# KiCad board AppleII.kicad_pcb (continued)
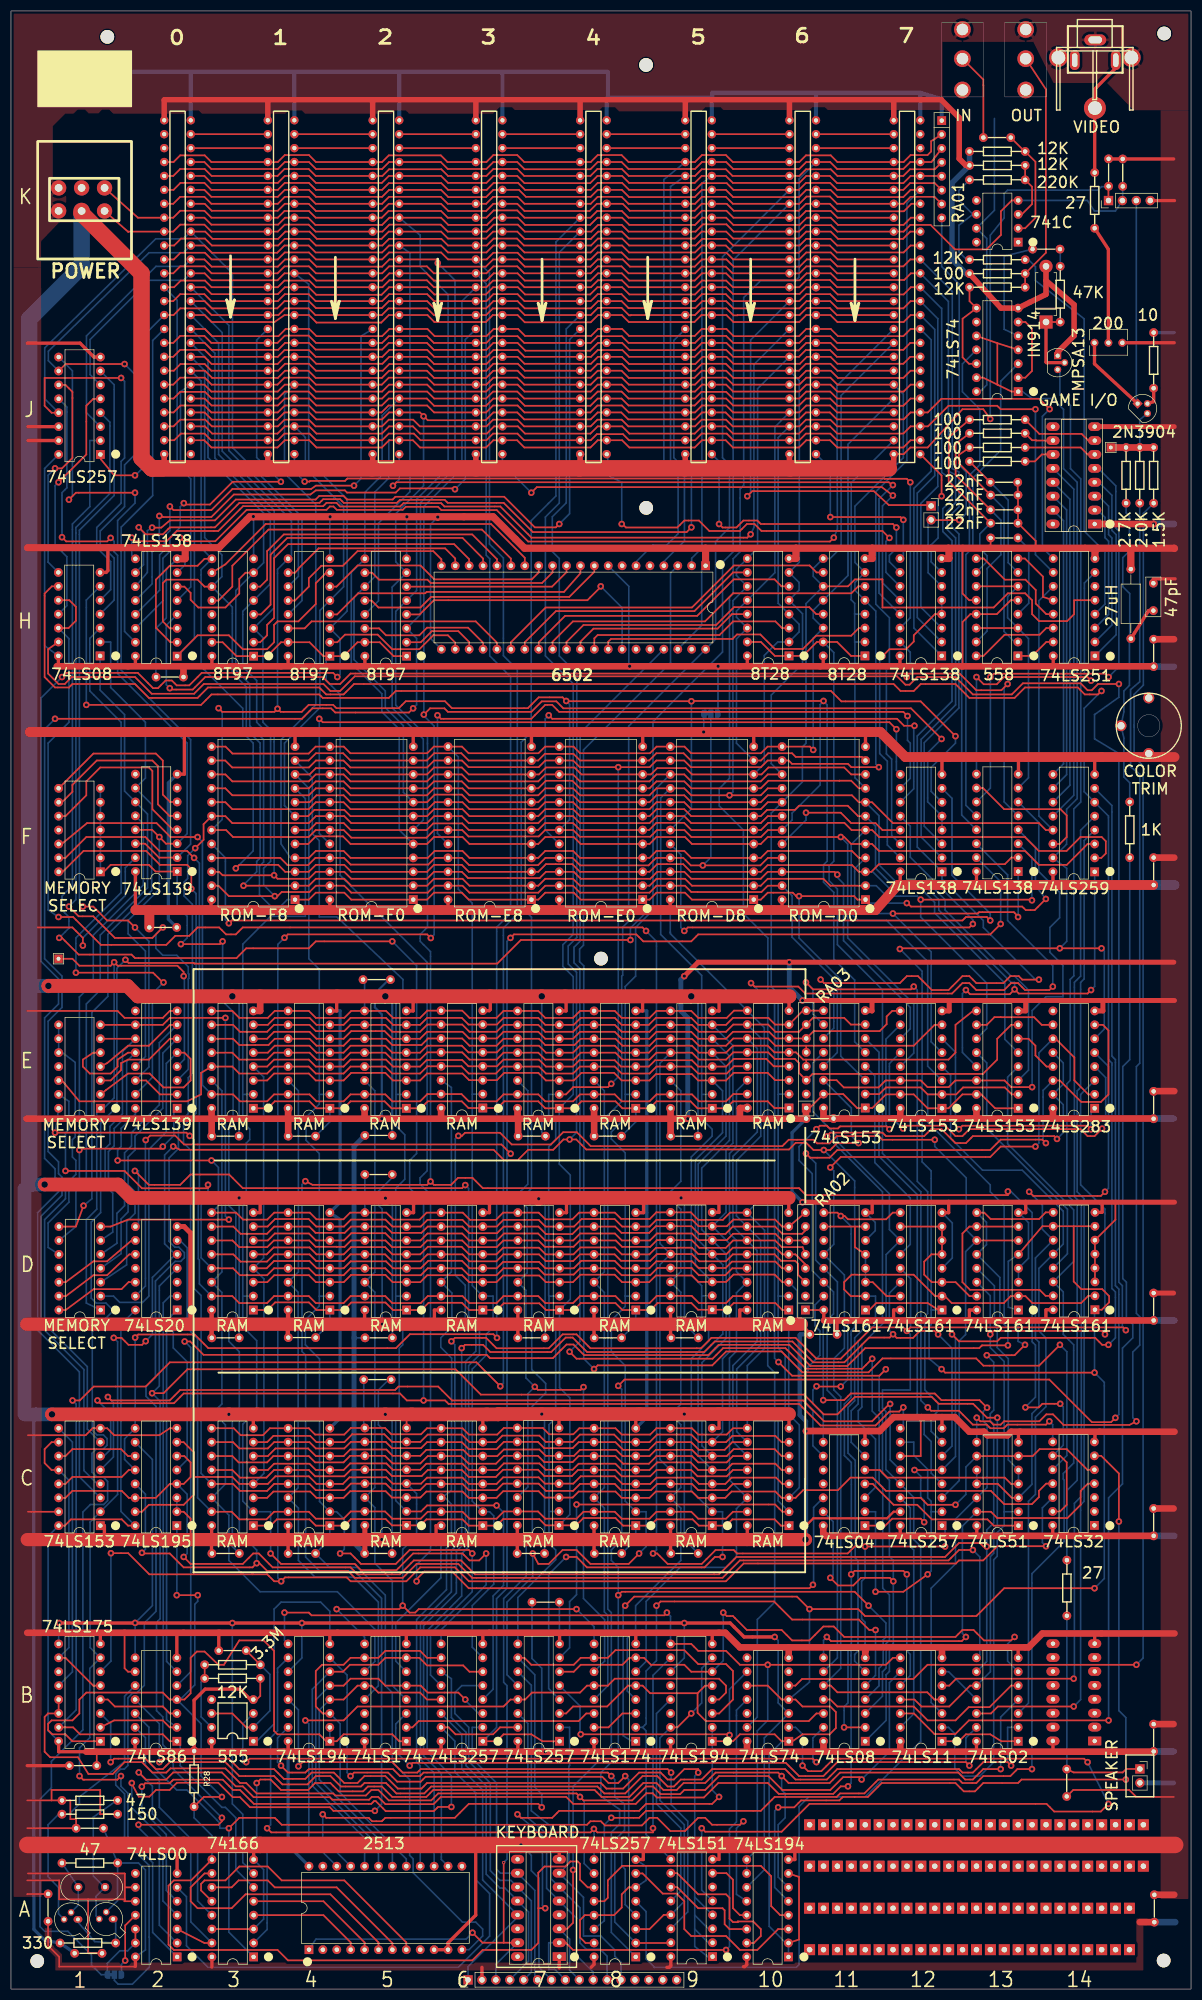
[diagram p0: board, top side]
## Routing (per net, layer and track width the routed paths; a pad name or vN(x,y) marks a point on that pad's centre or on a via; arc(x,y) is an arc through that point) (continued)
A10: length 679.1
  Top w0.3: SLOT7.12 164.31,308.18 162.99,306.86 150.95,306.86 149.63,308.18 SLOT6.12 145.31,308.18 143.99,306.86 131.95,306.86 130.63,308.18 SLOT5.12 126.26,308.18 124.99,306.91 112.8,306.91 111.53,308.18 SLOT4.12 107.21,308.18 105.89,306.86 93.85,306.86 92.53,308.18 SLOT3.12 88.11,308.18 86.79,306.86 77.34,306.86 76.02,308.18 69.01,308.18 67.74,306.91 55.7,306.91 54.43,308.18 SLOT1.12 49.96,308.18 48.64,306.86 36.7,306.86 35.38,308.18 SLOT0.12 ; ROM-D0.19 138.25,211.61 136.98,210.34 124.28,210.34 123.01,211.61 ROM-D8.19 117.98,211.61 116.76,210.39 103.91,210.39 102.69,211.61 ROM-E0.19 97.56,211.61 96.39,210.44 83.59,210.44 82.42,211.61 ROM-E8.19 77.29,211.61 75.9,210.22 62.17,210.22 60.78,211.61 ROM-F0.19 55.65,211.61 54.38,210.34 40.56,210.34 39.29,211.61 ROM-F8.19 ; v1(37.92,233.86) 38.58,233.2 48.13,233.2 v1(48.69,233.76) 49.25,233.2 53.11,233.2 54.38,234.47 58.85,234.47 59.46,233.86 70.84,233.86 72.11,235.13 79.27,235.13 80.54,233.86 94.41,233.86 96.39,235.84 100.76,235.84 v1(101.42,235.18) 101.47,235.13 v1(124.28,235.13) 124.33,235.18 v1(148.41,235.18)
  Bottom w0.3: 148.41,235.13 149.07,234.47 149.07,205.92 148.41,205.26 148.41,202.11 150.29,200.23 150.29,188.04 154.1,184.23 154.1,172.95 E11.5 ; 148.41,235.13 148.46,235.18 v1(148.41,235.18) 148.41,235.13 ; 148.41,235.13 147.8,234.52 147.8,219.84 142.67,214.71 142.67,213.44 ROM-D0.19 ; SLOT7.12 169.29,304.98 169.29,274.35 166.19,271.25 166.19,252.3 H12.3 ; SLOT0.12 38.58,302.44 38.58,280.8 51.23,268.15 51.23,261.75 H4.9 48.69,259.21 v1(48.69,233.76) ; v1(101.42,235.18) 102.03,234.57 102.03,213.49 ROM-E0.19 ; ROM-F8.19 38.58,213.54 38.58,233.2 v1(37.92,233.86) ; v1(124.28,235.13) 124.28,215.47 ROM-D8.19
A11: length 403.6
  Top w0.3: SLOT7.13 164.36,310.72 163.04,309.4 151,309.4 149.68,310.72 SLOT6.13 145.26,310.72 144.04,309.5 131.85,309.5 130.63,310.72 SLOT5.13 126.26,310.72 124.94,309.4 112.95,309.4 111.63,310.72 SLOT4.13 107.11,310.72 105.79,309.4 93.9,309.4 92.58,310.72 SLOT3.13 88.06,310.72 86.74,309.4 77.34,309.4 76.02,310.72 69.06,310.72 67.69,309.35 55.75,309.35 54.38,310.72 SLOT1.13 50.01,310.72 48.74,309.45 36.65,309.45 35.38,310.72 SLOT0.13 ; v1(147.88,184.3) 148.51,183.67 162.36,183.67 163.63,184.94 165.66,184.94 168.2,182.4 171.25,182.4 173.79,184.94 175.06,184.94 176.33,183.67 181.28,183.67 182.55,184.94 184.07,184.94 184.71,184.3 v1(187.76,184.3)
  Bottom w0.3: v1(187.76,184.3) 187.12,184.3 177.6,193.83 177.6,195.1 170.05,202.64 F12.1 165.53,208.51 165.53,228.78 171.88,235.13 171.88,264.44 170.21,266.12 170.21,270.28 171.88,271.96 171.78,275.67 170,276.89 170,306.86 169.95,306.86 SLOT7.13 ; SLOT0.13 39.8,303.76 39.8,280.9 52.5,268.2 52.5,257.94 H4.11 ; E11.11 150.29,175.44 150.29,181.89 v1(147.88,184.3)
A12: length 583.7
  Top w0.3: v1(9.32,239.55) 10.08,240.31 23.16,240.31 25.96,237.52 26.85,237.52 28.24,238.91 29.39,238.91 30.28,238.02 32.56,238.02 34.85,240.31 58.85,240.31 v1(59.61,239.55) ; SLOT0.14 35.38,313.26 36.65,311.99 48.69,311.99 49.96,313.26 SLOT1.14 54.43,313.26 55.75,311.94 67.79,311.94 69.11,313.26 75.92,313.26 77.24,311.94 86.84,311.94 88.16,313.26 SLOT3.14 92.53,313.26 93.85,311.94 105.89,311.94 107.21,313.26 SLOT4.14 111.58,313.26 112.9,311.94 124.89,311.94 126.21,313.26 SLOT5.14 130.63,313.26 131.9,311.99 144.04,311.99 145.31,313.26 SLOT6.14 149.73,313.26 150.95,312.04 163.14,312.04 164.36,313.26 SLOT7.14
  Bottom w0.3: v1(9.32,239.55) 5.51,235.74 5.51,187.6 8.69,184.43 8.69,179.86 6.15,177.32 6.15,151.66 8.05,149.76 8.05,148.23 8.69,147.6 8.69,145.57 4.88,141.76 4.88,120.29 12.5,112.67 12.5,93.52 C1.3 ; SLOT0.14 31.57,311.99 25.27,311.99 14.45,301.17 14.45,294.77 J1.6 ; SLOT1.14 54.38,311.28 54.38,279.02 61.39,272.01 61.39,251.59 H4.3 60.12,246.56 60.12,240.06 v1(59.61,239.55) ; SLOT7.14 171.22,308.13 171.22,277.14 172.54,276.48 172.54,271.4 171.02,269.88 171.02,266.47 172.54,264.95 172.54,234.47 166.24,228.17 166.24,210.34 F12.2
A13: length 603.5
  Top w0.3: SLOT7.15 164.26,315.8 162.99,314.53 150.95,314.53 149.68,315.8 SLOT6.15 145.36,315.8 144.04,314.48 132,314.48 130.68,315.8 SLOT5.15 126.21,315.8 124.89,314.48 113.06,314.48 111.73,315.8 SLOT4.15 107.16,315.8 105.84,314.48 93.85,314.48 92.53,315.8 SLOT3.15 88.06,315.8 86.74,314.48 77.95,314.48 v1(77.95,315.14) 77.95,315.8 69.11,315.8 67.79,314.48 55.8,314.48 54.48,315.8 SLOT1.15 50.06,315.8 48.74,314.48 36.65,314.48 35.33,315.8 SLOT0.15 ; v1(73.46,233.83) 72.69,233.07 59.23,233.07 58.47,233.83 55.04,233.83 53.14,231.93 v1(8.05,231.93)
  Bottom w0.3: SLOT7.15 171.93,309.96 171.93,277.6 173.15,276.99 173.15,270.64 171.83,269.32 171.83,266.98 173.15,265.66 173.15,233.91 166.8,227.56 166.8,212.32 F12.3 ; SLOT0.15 31.57,314.53 26.49,314.53 13.79,301.83 13.79,287.81 J1.3 ; v1(8.05,231.93) 6.15,230.02 6.15,188.11 9.32,184.94 9.32,179.22 6.78,176.68 6.78,152.93 8.69,151.03 8.69,148.87 9.32,148.23 9.32,144.93 5.51,141.12 5.51,120.93 13.34,113.11 13.34,94.67 15.77,92.23 C1.4 ; v1(73.46,233.83) 74.09,234.47 74.09,246.61 H5.3 74.8,250.98 74.8,271.4 81.1,277.7 81.1,311.99 v1(77.95,315.14)
A14: length 314.5
  Top w0.3: J1.10 9.98,296.7 v1(20.75,296.7) ; SLOT0.16 35.38,318.34 36.7,317.02 48.64,317.02 49.96,318.34 SLOT1.16 54.38,318.34 55.65,317.07 67.79,317.07 69.06,318.34 78.56,318.34 79.83,317.07 86.84,317.07 88.11,318.34 SLOT3.16 92.53,318.34 93.8,317.07 105.89,317.07 107.16,318.34 SLOT4.16 111.63,318.34 112.9,317.07 124.94,317.07 126.21,318.34 SLOT5.16 130.58,318.34 131.9,317.02 143.94,317.02 145.26,318.34 SLOT6.16 149.58,318.34 150.85,317.07 163.04,317.07 164.31,318.34 SLOT7.16
  Bottom w0.3: v1(20.75,296.7) 22.66,294.79 22.66,280.19 20.75,278.28 20.75,270.66 16.31,266.22 16.31,263.8 18.85,261.26 18.85,253.59 H1.4 ; SLOT0.16 31.52,317.02 25.22,317.02 6.83,299.03 6.83,297.31 J1.10 ; H5.13 67.13,253.47 67.13,267.64 72.87,273.38 72.87,316.97 72.82,317.02 70.92,318.34
A15: length 335.4
  Top w0.3: SLOT7.17 164.26,320.88 162.94,319.56 151.05,319.56 149.73,320.88 SLOT6.17 145.26,320.88 143.99,319.61 131.9,319.61 130.63,320.88 SLOT5.17 126.16,320.88 124.89,319.61 112.85,319.61 111.58,320.88 SLOT4.17 107.26,320.88 105.94,319.56 93.8,319.56 92.48,320.88 SLOT3.17 88.06,320.88 86.79,319.61 79.83,319.61 78.56,320.88 69.01,320.88 67.69,319.56 55.85,319.56 54.53,320.88 SLOT1.17 50.11,320.88 48.79,319.56 36.8,319.56 35.48,320.88 SLOT0.17 ; J1.13 7.42,287.81 6.15,289.08 6.15,294.16 v1(20.12,294.16)
  Bottom w0.3: H4.13 53.16,253.52 53.16,268.76 40.46,281.46 40.46,313.26 SLOT0.17 31.52,319.56 26.44,319.56 6.17,299.64 6.17,290.35 J1.13 ; v1(20.12,294.16) 20.75,293.52 20.75,279.55 20.12,278.92 20.12,271.3 15.67,266.85 15.67,263.17 18.21,260.63 18.21,255.5 H1.5
AX: length 355.5
  Top w0.3: v1(185.22,117.63) 183.31,115.72 v1(178.23,115.72) ; C1.14 9.96,89.69 11.23,90.96 20.24,90.96 21.51,89.69 C2.14 26.47,89.69 29.01,92.23 C2.4 31.55,92.23 32.82,93.5 32.82,96.16 31.67,97.31 C2.6 ; v1(31.55,78.89) 32.82,77.62 42.34,77.62 44.25,79.53 45.26,79.53 47.8,76.99 62.03,76.99 63.3,75.72 71.04,75.72 73.58,78.26 82.22,78.26 84.76,75.72 129.34,75.72 132.51,78.89 170.61,78.89 173.15,81.43 176.96,81.43 177.6,80.8 v1(178.23,80.8) ; E11.2 158.6,163.4 159.82,164.62 166.17,164.62 167.44,163.35 E12.2 172.64,163.35 173.91,164.62 181.53,164.62 182.8,163.35 E13.2
  Bottom w0.3: E12.2 167.44,163.35 167.44,158.27 178.87,146.84 178.87,145.57 181.41,143.03 181.41,122.71 183.95,121.44 183.95,118.26 v1(185.22,117.63) ; C2.4 32.18,90.35 32.18,79.53 v1(31.55,78.89) ; v1(178.23,115.72) 179.5,114.45 179.5,105.69 178.87,105.05 178.87,103.78 179.5,103.15 179.5,85.12 178.23,83.85 v1(178.23,80.8) 178.23,59.82 B13.9
B5-3: length 124.2
  Top w0.3: v1(175.06,40.79) 174.42,41.43 150.93,41.43 148.39,38.89 143.94,38.89 141.53,41.3 73.33,41.3 v1(72.82,40.79)
  Bottom w0.3: B5.3 70.28,48.39 70.28,43.33 v1(72.82,40.79) ; v1(175.06,40.79) 174.42,41.43 174.42,45.87 175.18,46.63 175.21,46.63 B13.13
B11-5: length 104.2
  Top w0.3: v1(117.91,70) 118.67,70.76 139.37,70.76 142.67,67.46 154.86,67.46 156.77,65.56 v1(157.91,65.56)
  Bottom w0.3: B11.5 157.91,57.28 v1(157.91,65.56) ; A9.9 116,28.22 116,47.14 115.37,47.78 ; v1(117.91,70) 117.91,59.97 116,58.06 116,48.41 115.37,47.78 ; 115.37,47.78 B8.2
C1-5: length 175.7
  Top w0.3: v1(160.58,106.83) 160.45,106.83 157.28,103.66 148.51,103.66 144.7,107.47 80.57,107.47 78.03,110.01 70.79,110.01 70.15,109.37 30.91,109.37 29.01,107.47 18.34,107.47 v1(17.7,108.1)
  Bottom w0.3: C12.12 160.58,96.62 v1(160.58,106.83) ; C1.5 18.72,97.15 18.72,107.09 v1(17.7,108.1)
C1-6: length 415.3
  Top w0.3: v1(69.65,191.29) 55.68,191.29 54.41,190.02 42.98,190.02 41.2,188.24 22.66,188.24 22.02,188.87 12.37,188.87 9.32,191.92 v1(8.81,191.92) ; v1(15.8,107.47) 16.31,106.96 29.77,106.96 31.55,108.74 71.04,108.74 72.31,107.47 v1(75.36,107.47) 79.3,107.47 79.93,106.83 143.94,106.83 147.88,102.9 157.91,102.9 160.45,105.44 162.23,105.44 v1(162.99,106.2)
  Bottom w0.3: C1.6 16.99,97.31 18.21,98.53 18.21,104.93 17.45,105.69 17.45,105.82 v1(15.8,107.47) ; C12.9 162.99,102.95 v1(162.99,106.2) ; J1.2 14.4,282.73 14.4,270.66 11.23,267.49 11.23,201.45 9.32,199.54 9.32,197 10.59,195.73 10.59,193.7 v1(8.81,191.92) ; v1(69.65,191.29) 74.09,186.84 74.09,152.55 72.82,151.28 72.82,146.2 75.36,143.66 v1(75.36,107.47)
COLOR_REF: length 196.4
  Top w0.3: v1(18.21,41.43) 18.85,42.06 24.56,42.06 26.47,40.16 27.74,40.16 29.01,41.43 39.17,41.43 41.71,38.89 48.06,38.89 49.58,37.36 54.15,37.36 55.68,38.89 58.34,38.89 60.25,36.98 63.93,36.98 64.57,37.62 68.5,37.62 70.41,35.71 75.49,35.71 76.76,36.98 107.11,36.98 108.38,35.71 112.19,35.71 115.37,38.89 118.03,38.89 119.94,36.98 121.08,36.98 122.35,38.25 126.16,38.25 128.07,40.16 141.4,40.16 143.31,38.25 149.02,38.25 150.93,40.16 173.15,40.16 173.79,39.52 175.69,39.52 177.6,41.43 182.04,41.43 v1(182.68,40.79)
  Bottom w0.3: v1(182.68,40.79) 182.04,41.43 182.04,47.78 B13.2 ; v1(18.21,41.43) 18.21,48.44 B1.3
CRA6: length 199.3
  Top w0.3: v1(8.05,156.36) 32.05,156.36 v1(32.64,155.78) ; C10.13 131.88,92.23 130.73,91.08 128.7,91.08 128.69,91.08 125.53,91.08 124.38,92.23 C9.13 118.03,92.23 116.88,91.08 111.44,91.08 110.29,92.23 C8.13 103.94,92.23 102.67,90.96 97.71,90.96 96.39,92.28 C7.13 89.89,92.28 88.69,91.08 83.62,91.08 82.47,92.23 C6.13 75.87,92.23 74.73,91.08 69.65,91.08 68.45,92.28 C5.13 62.08,92.28 60.88,91.08 55.68,91.08 54.53,92.23 C4.13 48.06,92.23 46.79,90.96 41.83,90.96 40.56,92.23 C3.13
  Bottom w0.3: v1(8.05,156.36) 8.18,157.02 E1.14 ; v1(32.64,155.78) 33.45,154.97 33.45,127.91 34.72,126.64 34.72,94.16 C3.13
D0: length 544.3
  Top w0.3: v1(47.42,79.53) 49.33,77.62 62.79,77.62 63.93,76.48 70.41,76.48 73.46,79.53 82.47,79.53 83.74,78.26 85.52,78.26 v1(86.79,79.53) ; ROM-D0.9 154.86,219.23 153.47,220.62 151.31,220.62 151.3,220.62 138.35,220.62 136.96,219.23 ROM-D8.9 124.26,219.23 122.99,220.5 117.91,220.5 116.64,219.23 ROM-E0.9 103.94,219.23 102.55,220.62 97.71,220.62 96.32,219.23 ROM-E8.9 83.62,219.23 82.35,220.5 77.27,220.5 76,219.23 ROM-F0.9 62.03,219.23 60.76,220.5 55.68,220.5 54.41,219.23 ROM-F8.9 ; SLOT0.49 29.82,282.78 31.04,284 35.36,284 36.58,282.78 SLOT1.49 48.74,282.78 49.96,284 54.53,284 55.75,282.78 SLOT2.49 67.79,282.78 69.01,284 73.58,284 74.8,282.78 SLOT3.49 86.84,282.78 88.06,284 92.51,284 93.73,282.78 SLOT4.49 105.89,282.78 107,283.89 111.79,283.89 112.9,282.78 SLOT5.49 124.94,282.78 126.16,284 130.73,284 131.95,282.78 SLOT6.49 143.99,282.78 145.21,284 149.66,284 150.88,282.78 SLOT7.49
  Bottom w0.3: 42.34,126.52 42.34,143.03 42.98,143.66 42.98,154.46 43.61,155.09 43.61,157 42.34,158.27 42.34,163.35 ; 42.34,126.52 D3.2 ; 42.34,126.52 42.34,120.93 44.88,118.39 44.88,105.69 42.34,103.15 42.34,89.08 C3.2 47.42,87.15 v1(47.42,79.53) ; 42.34,163.35 E3.2 ; 42.34,163.35 42.34,190.78 47.42,195.86 53.77,195.86 53.77,217.35 ROM-F8.9 ; 154.15,245.95 154.1,245.9 154.1,251.1 ; 154.15,245.95 154.15,221.16 ROM-D0.9 ; 154.15,245.95 H11.2 ; 154.1,251.1 154.1,253.01 153.47,253.64 153.47,275.01 SLOT7.49 ; 154.1,251.1 154.18,251.03 H11.4 ; v1(86.79,79.53) 86.79,73.81 78.56,65.58 B6.9
D1: length 529.5
  Top w0.3: v1(60.12,79.53) 62.03,79.53 63.93,77.62 70.28,77.62 72.82,80.16 83.62,80.16 v1(84.25,79.53) ; SLOT7.48 150.88,285.32 149.66,286.54 145.21,286.54 143.99,285.32 SLOT6.48 131.83,285.32 130.61,286.54 126.16,286.54 124.94,285.32 SLOT5.48 112.78,285.32 111.56,286.54 107.11,286.54 105.89,285.32 SLOT4.48 93.73,285.32 92.51,286.54 88.06,286.54 86.84,285.32 SLOT3.48 74.68,285.32 73.46,286.54 69.01,286.54 67.79,285.32 SLOT2.48 55.63,285.32 54.41,286.54 49.96,286.54 48.74,285.32 SLOT1.48 36.7,285.32 35.48,286.54 30.91,286.54 29.69,285.32 SLOT0.48 ; ROM-F8.10 54.53,221.77 55.68,222.92 60.88,222.92 62.03,221.77 ROM-F0.10 76,221.77 77.27,223.04 82.35,223.04 83.62,221.77 ROM-E8.10 96.44,221.77 97.71,223.04 102.92,223.04 104.19,221.77 ROM-E0.10 116.89,221.77 118.04,222.92 123.23,222.92 124.38,221.77 ROM-D8.10 137.08,221.77 138.35,223.04 152.2,223.04 153.47,221.77 ROM-D0.10
  Bottom w0.3: 56.31,163.35 56.31,161.57 53.9,159.16 53.9,154.97 56.31,152.55 56.31,126.52 ; 56.31,163.35 56.31,186.21 54.41,188.11 54.41,219.25 ROM-F8.10 ; 56.31,163.35 E4.2 ; SLOT6.48 140.13,283.26 140.13,253.01 H10.4 143.94,249.2 143.94,247.78 H10.2 140.06,245.95 137.59,243.48 137.59,223.7 ROM-D8.10 ; 56.31,126.52 56.31,124.69 53.77,122.15 53.77,117.63 56.36,115.04 56.36,89.03 C4.2 59.49,87.15 60.88,85.75 60.88,80.29 v1(60.12,79.53) ; 56.31,126.52 D4.2 ; v1(84.25,79.53) 84.25,72.54 76.63,64.92 76.63,57.33 B6.12
D2: length 530.1
  Top w0.3: SLOT0.47 29.69,287.86 30.96,289.13 35.33,289.13 36.6,287.86 SLOT1.47 48.74,287.86 50.01,289.13 54.43,289.13 55.7,287.86 SLOT2.47 67.69,287.86 68.96,289.13 76.02,289.13 77.29,287.86 SLOT3.47 86.79,287.86 88.06,289.13 92.53,289.13 93.8,287.86 SLOT4.47 105.84,287.86 107.11,289.13 111.58,289.13 112.85,287.86 SLOT5.47 124.94,287.86 126.21,289.13 130.63,289.13 131.9,287.86 SLOT6.47 143.99,287.86 145.26,289.13 149.63,289.13 150.9,287.86 SLOT7.47 ; v1(88.7,88.29) 88.69,88.3 76,88.3 74.9,87.2 C5.2 ; ROM-D0.11 155.42,224.97 143.33,224.97 142.67,225.63 138.3,225.63 136.98,224.31 ROM-D8.11 124.18,224.31 122.86,225.63 117.88,225.63 116.56,224.31 ROM-E0.11 103.96,224.31 102.74,225.53 97.51,225.53 96.29,224.31 ROM-E8.11 83.59,224.31 82.27,225.63 77.29,225.63 75.97,224.31 ROM-F0.11 62,224.31 60.68,225.63 55.7,225.63 54.38,224.31 ROM-F8.11
  Bottom w0.3: v1(88.7,88.29) 89.97,87.02 89.97,73.69 88.06,71.78 88.06,54.74 B6.4 ; 70.28,126.52 D5.2 ; 70.28,126.52 70.28,146.2 71.93,147.85 71.93,155.98 70.33,157.58 70.33,163.35 ; 70.28,126.52 70.28,122.07 71.55,120.8 71.55,117.63 70.92,116.99 70.92,104.42 70.28,103.78 70.28,89.18 C5.2 ; ROM-F8.11 55.04,221.16 55.04,210.95 56.31,209.68 56.31,195.76 59.51,195.76 71.6,184.33 71.6,181.23 70.33,179.96 70.33,163.35 ; 70.33,163.35 E5.2 ; ROM-D8.11 132.51,227.46 132.51,246.51 H10.14 132.51,250.47 132.51,251.59 H10.12 139.52,258.6 139.52,285.19 SLOT6.47
D3: length 506.7
  Top w0.3: v1(146.53,226.24) 145.92,226.85 ROM-D0.13 138.2,226.85 136.98,225.63 124.23,225.63 123.01,226.85 ROM-D8.13 117.93,226.85 116.71,225.63 103.96,225.63 102.74,226.85 ROM-E0.13 97.56,226.85 96.34,225.63 83.59,225.63 82.37,226.85 ROM-E8.13 77.24,226.85 76.02,225.63 62,225.63 60.78,226.85 ROM-F0.13 55.65,226.85 54.38,225.58 40.46,225.58 39.19,226.85 ROM-F8.13 ; SLOT0.46 29.69,290.4 30.91,291.62 35.43,291.62 36.65,290.4 SLOT1.46 48.74,290.4 50.01,291.67 54.38,291.67 55.65,290.4 SLOT2.46 67.79,290.4 69.06,291.67 76.02,291.67 77.29,290.4 SLOT3.46 86.79,290.4 88.06,291.67 92.48,291.67 93.75,290.4 SLOT4.46 105.89,290.4 107.16,291.67 111.53,291.67 112.8,290.4 SLOT5.46 124.89,290.4 126.11,291.62 130.63,291.62 131.85,290.4 SLOT6.46 143.99,290.4 145.26,291.67 149.63,291.67 150.9,290.4 SLOT7.46
  Bottom w0.3: ROM-E8.13 81.71,224.97 81.71,200.81 84.25,198.27 84.25,163.35 ; E6.2 84.3,163.4 84.25,163.35 ; 84.25,163.35 84.25,128.45 D6.2 88.06,126.52 88.06,120.8 86.79,119.53 86.79,115.72 84.25,113.18 84.25,89.08 C6.2 87.43,87.15 88.19,86.39 88.19,73.94 84.25,70 84.25,62.41 B6.7 ; v1(146.53,226.24) 146.53,246.66 H11.14 146.53,250.32 146.53,251.74 H11.12 152.88,258.09 152.88,282.04 SLOT7.46
D4: length 525.8
  Top w0.3: SLOT7.45 150.95,292.94 149.68,294.21 145.26,294.21 143.99,292.94 SLOT6.45 131.9,292.94 130.63,294.21 126.21,294.21 124.94,292.94 SLOT5.45 112.85,292.94 111.58,294.21 107.16,294.21 105.89,292.94 SLOT4.45 93.75,292.94 92.48,294.21 88.11,294.21 86.84,292.94 SLOT3.45 77.29,292.94 76.02,294.21 69.01,294.21 67.74,292.94 SLOT2.45 55.7,292.94 54.43,294.21 49.96,294.21 48.69,292.94 SLOT1.45 36.65,292.94 35.38,294.21 30.91,294.21 29.64,292.94 SLOT0.45 ; v1(109.65,165.28) 109.04,164.67 102.69,164.67 101.37,163.35 E7.2 ; v1(158.52,223.09) 153.49,223.09 152.88,223.7 142.67,223.7 142.06,224.31 ROM-D0.14 138.2,224.31 136.98,223.09 124.18,223.09 122.96,224.31 ROM-D8.14 117.88,224.31 116.66,223.09 v1(110.92,223.09) 103.91,223.09 102.69,224.31 ROM-E0.14 97.61,224.31 96.39,223.09 83.59,223.09 82.37,224.31 ROM-E8.14 77.29,224.31 76.02,223.04 62,223.04 60.73,224.31 ROM-F0.14 55.7,224.31 54.43,223.04 40.41,223.04 39.14,224.31 ROM-F8.14
  Bottom w0.3: 98.27,87.2 98.27,81.38 99.49,80.16 99.49,78.38 92.58,71.48 B7.9 ; 98.27,87.2 98.27,103.05 99.49,104.27 99.49,120.83 98.27,122.05 98.27,126.52 ; 98.27,87.2 C7.2 ; v1(110.92,223.09) 110.92,166.55 v1(109.65,165.28) ; 98.27,126.52 D7.2 ; 98.27,126.52 98.22,126.57 98.22,153.8 99.49,155.07 99.49,158.27 98.22,159.54 98.22,163.35 E7.2 ; v1(158.52,223.09) 157.96,223.65 157.96,251.59 H11.5 154.15,255.4 154.15,256.82 H11.7 154.15,260.48 154.15,270.74 162.99,279.58 162.99,291.19 SLOT7.45
D5: length 538.2
  Top w0.3: v1(114.73,79.53) 112.83,77.62 105.84,77.62 103.3,80.16 100.76,80.16 98.22,77.62 96.32,77.62 v1(95.3,79.53) ; ROM-D0.15 138.23,221.77 136.96,220.5 124.26,220.5 122.99,221.77 ROM-D8.15 117.91,221.77 116.64,220.5 103.94,220.5 102.67,221.77 ROM-E0.15 97.59,221.77 96.32,220.5 83.62,220.5 82.35,221.77 ROM-E8.15 77.27,221.77 76,220.5 62.03,220.5 60.76,221.77 ROM-F0.15 55.68,221.77 54.41,220.5 40.44,220.5 39.17,221.77 ROM-F8.15 ; SLOT7.44 150.95,295.48 149.68,296.75 145.21,296.75 143.94,295.48 SLOT6.44 131.85,295.48 130.58,296.75 126.21,296.75 124.94,295.48 SLOT5.44 112.85,295.48 111.63,296.7 107.11,296.7 105.89,295.48 SLOT4.44 93.85,295.48 92.58,296.75 88.11,296.75 86.84,295.48 SLOT3.44 77.29,295.48 76.07,296.7 69.11,296.7 67.89,295.48 SLOT2.44 55.7,295.48 54.43,296.75 50.06,296.75 48.79,295.48 SLOT1.44 36.6,295.48 35.38,296.7 30.96,296.7 29.74,295.48 SLOT0.44
  Bottom w0.3: 112.19,163.35 112.19,159.03 109.65,156.49 109.65,155.22 112.19,152.68 112.19,126.52 ; 112.19,163.35 112.19,183.03 114.1,184.94 114.1,193.83 118.03,197.76 118.03,219.38 ROM-D8.15 ; 112.19,163.35 E8.2 ; v1(114.73,79.53) 116,80.8 116,87.15 C8.2 112.19,89.08 112.19,113.82 109.65,116.36 109.65,122.07 112.19,124.61 112.19,126.52 ; 112.19,126.52 D8.2 ; ROM-D0.15 138.86,223.75 138.86,236.25 144.58,241.96 144.58,251.1 H10.5 143.94,255.4 143.94,256.82 H10.7 143.99,260.53 143.99,293.67 SLOT6.44 ; v1(95.3,79.53) 95.3,75.34 90.6,70.64 90.6,57.38 B7.12
D6: length 551
  Top w0.3: ROM-D0.16 138.23,219.23 136.96,217.96 v1(131.24,217.96) 124.26,217.96 122.99,219.23 ROM-D8.16 117.91,219.23 116.64,217.96 103.94,217.96 102.67,219.23 ROM-E0.16 97.59,219.23 96.32,217.96 83.74,217.96 82.47,219.23 ROM-E8.16 77.27,219.23 76,217.96 62.03,217.96 60.76,219.23 ROM-F0.16 55.68,219.23 54.41,217.96 40.44,217.96 39.17,219.23 ROM-F8.16 ; SLOT7.43 150.85,298.02 149.63,299.24 145.16,299.24 143.94,298.02 SLOT6.43 131.9,298.02 130.63,299.29 126.16,299.29 124.89,298.02 SLOT5.43 112.9,298.02 111.68,299.24 107.16,299.24 105.94,298.02 SLOT4.43 93.8,298.02 92.58,299.24 88.11,299.24 86.89,298.02 SLOT3.43 77.29,298.02 76.02,299.29 69.11,299.29 67.84,298.02 SLOT2.43 55.65,298.02 54.43,299.24 49.96,299.24 48.74,298.02 SLOT1.43 36.65,298.02 35.38,299.29 30.91,299.29 29.64,298.02 SLOT0.43 ; v1(129.97,78.89) 128.57,78.89 126.67,76.99 105.21,76.99 103.3,78.89 v1(101.4,78.89)
  Bottom w0.3: 126.16,163.35 126.16,185.06 118.67,192.56 118.67,217.47 ROM-D8.16 ; 126.16,163.35 E9.2 ; 126.16,163.35 126.16,158.9 128.07,157 128.07,155.73 124.26,151.92 124.26,130.33 126.16,128.42 126.16,126.52 ; 126.16,126.52 126.21,126.57 D9.2 ; 126.16,126.52 126.16,121.44 127.43,120.17 127.43,118.26 124.26,115.09 124.26,90.98 C9.2 129.97,87.15 v1(129.97,78.89) ; v1(101.4,78.89) 98.22,75.72 98.22,54.84 B7.4 ; SLOT6.43 136.37,292.2 136.37,263.07 H10.9 132.51,259.21 132.51,258.09 H10.11 131.88,253.49 131.88,218.59 v1(131.24,217.96)
D7: length 612.9
  Top w0.3: v1(103.3,88.47) 139.57,88.47 140.89,87.15 C10.2 ; SLOT0.42 29.64,300.56 30.91,301.83 35.33,301.83 36.6,300.56 SLOT1.42 48.69,300.56 50.01,301.88 54.38,301.88 55.7,300.56 SLOT2.42 67.79,300.56 69.01,301.78 76.02,301.78 77.24,300.56 SLOT3.42 86.84,300.56 88.06,301.78 92.53,301.78 93.75,300.56 SLOT4.42 105.89,300.56 107.11,301.78 111.58,301.78 112.8,300.56 SLOT5.42 124.94,300.56 126.21,301.83 130.63,301.83 131.9,300.56 SLOT6.42 143.99,300.56 145.21,301.78 149.68,301.78 150.9,300.56 SLOT7.42 ; H14.5 194.18,253.57 194.18,251.03 192.91,249.76 187.78,249.76 186.51,251.03 186.51,253.57 185.24,254.84 182.09,254.84 179.5,252.25 159.18,252.25 159.18,257.38 154.15,257.38 152.88,256.11 H11.11 ; ROM-F8.17 39.17,216.69 40.44,215.42 54.41,215.42 55.68,216.69 ROM-F0.17 60.76,216.69 62.03,215.42 76.12,215.42 77.39,216.69 ROM-E8.17 82.47,216.69 83.74,215.42 96.32,215.42 97.59,216.69 ROM-E0.17 102.67,216.69 103.94,215.42 116.64,215.42 117.91,216.69 ROM-D8.17 122.99,216.69 124.26,215.42 136.96,215.42 138.23,216.69 ROM-D0.17
  Bottom w0.3: 140.13,126.52 140.13,117.02 141.4,115.75 141.4,105.49 140.13,104.22 140.13,89.13 C10.2 ; 140.13,126.52 140.13,163.35 ; 140.13,126.52 D10.2 ; 140.13,163.35 140.18,163.4 E10.2 ; 140.13,163.35 140.13,181.74 138.86,183.01 138.86,214.71 ROM-D0.17 144.55,220.4 144.55,226.8 145.21,227.46 145.21,252.96 H11.11 146.53,257.94 146.53,259.36 H11.9 149.63,261.19 151.61,263.17 151.61,290.93 SLOT7.42 ; B7.7 102.03,62.31 102.03,70.74 103.3,72.01 v1(103.3,88.47)
DRA6: length 164.9
  Top w0.3: v1(9.96,149.38) 20.75,149.38 23.93,146.2 35.99,146.2 v1(35.99,146.84) ; D10.13 131.75,131.6 130.48,130.33 125.65,130.33 124.33,131.65 D9.13 118.08,131.65 116.76,130.33 111.56,130.33 110.29,131.6 D8.13 103.94,131.6 102.79,130.45 97.47,130.45 96.32,131.6 D7.13 89.97,131.6 88.7,130.33 83.62,130.33 82.35,131.6 D6.13 76.12,131.6 74.85,130.33 69.65,130.33 68.38,131.6 D5.13 62.03,131.6 60.76,130.33 55.68,130.33 54.41,131.6 D4.13 48.06,131.6 46.79,130.33 41.83,130.33 40.56,131.6 D3.13
  Bottom w0.3: E1.13 10.59,162.08 10.59,157 9.96,156.36 v1(9.96,149.38) ; v1(35.99,146.84) 35.99,144.93 34.72,143.66 34.72,133.53 D3.13
ERA6: length 139.5
  Top w0.3: E1.12 9.32,165.89 12.5,162.08 32.18,162.08 34.72,163.35 34.72,167.28 E3.13 40.44,168.43 41.71,167.16 46.79,167.16 48.06,168.43 E4.13 54.41,168.43 55.68,167.16 60.76,167.16 62.03,168.43 E5.13 68.38,168.43 69.65,167.16 74.73,167.16 76.05,168.48 E6.13 82.3,168.48 83.62,167.16 88.57,167.16 89.84,168.43 E7.13 96.44,168.43 97.71,167.16 102.67,167.16 103.94,168.43 E8.13 110.29,168.43 111.56,167.16 116.64,167.16 117.91,168.43 E9.13 124.26,168.43 125.53,167.16 130.73,167.16 132.05,168.48 E10.13
HBL: length 88.6
  Top w0.3: C13.9 C13.6 186.61,97.31 187.88,98.58 192.84,98.58 196.6,94.82 C14.5 ; v1(172.52,88.42) 167.44,88.42 166.17,89.69 C12.14
  Bottom w0.3: C12.14 164.26,87.86 164.26,80.8 164.9,80.16 164.9,50.24 B12.13 ; v1(172.52,88.42) 174.42,90.32 174.42,95.33 C13.9
HIRES: length 377.9
  Top w0.3: v1(116,193.19) 115.37,193.83 42.34,193.83 41.07,192.56 39.29,192.56 38.02,193.83 34.09,193.83 32.56,192.3 30.02,192.3 28.37,190.65 16.43,190.65 11.35,195.73 v1(8.69,195.73) ; H1.12 10.52,248.49 11.86,249.83 11.86,252.37 10.67,253.57 H1.10 ; v1(117.27,79.53) 118.03,79.53 119.94,77.62 126.16,77.62 128.7,80.16 132,80.16 132.64,79.53 152.83,79.53 154.1,80.8 v1(156.01,80.8) v1(170.61,80.8)
  Bottom w0.3: v1(170.61,80.8) 170.61,84.05 C12.1 ; H1.12 10.59,246.56 10.59,231.29 6.78,227.48 6.78,197.03 v1(8.69,195.73) ; B11.6 154.1,59.87 154.1,61.11 156.01,63.02 156.01,66.95 155.37,67.59 155.37,74.45 156.01,75.08 v1(156.01,80.8) ; v1(117.27,79.53) 117.91,80.16 117.91,191.29 v1(116,193.19)
INH: length 345.3
  Top w0.3: v1(33.66,208.31) 35.18,209.83 35.18,212.67 ROM-F8.18 39.17,214.15 40.44,212.88 54.41,212.88 55.68,214.15 ROM-F0.18 60.88,214.15 62.15,212.88 76,212.88 77.27,214.15 ROM-E8.18 82.35,214.15 83.62,212.88 96.32,212.88 97.59,214.15 ROM-E0.18 102.67,214.15 103.94,212.88 116.64,212.88 117.91,214.15 ROM-D8.18 122.99,214.15 124.26,212.88 136.96,212.88 138.23,214.15 ROM-D0.18
  Bottom w0.3: JP1.2 18.89,1.57 19.57,0.89 22.17,0.89 25.27,3.99 25.27,9.42 25.22,9.47 25.22,22.58 20.75,27.05 20.75,35.64 19.14,37.25 19.14,39.28 20.02,40.16 20.7,40.16 21.36,40.82 21.36,53.16 22.28,54.08 22.99,54.08 24.36,55.45 24.36,66.83 26.49,68.96 26.49,106.4 24.66,108.23 24.66,109.96 26.39,111.68 26.39,129.26 27.25,130.12 27.25,130.12 30,132.87 31.01,132.87 31.67,133.53 31.67,134.44 30.66,135.46 29.95,135.46 28.88,136.52 28.88,151.74 30.59,153.45 30.59,158.05 32.39,159.84 32.39,166.4 33.15,167.16 33.15,198.04 31.62,199.57 31.62,202.11 32.28,202.77 32.28,206.93 v1(33.66,208.31)